# KiCad board panel9.kicad_pcb (continued)
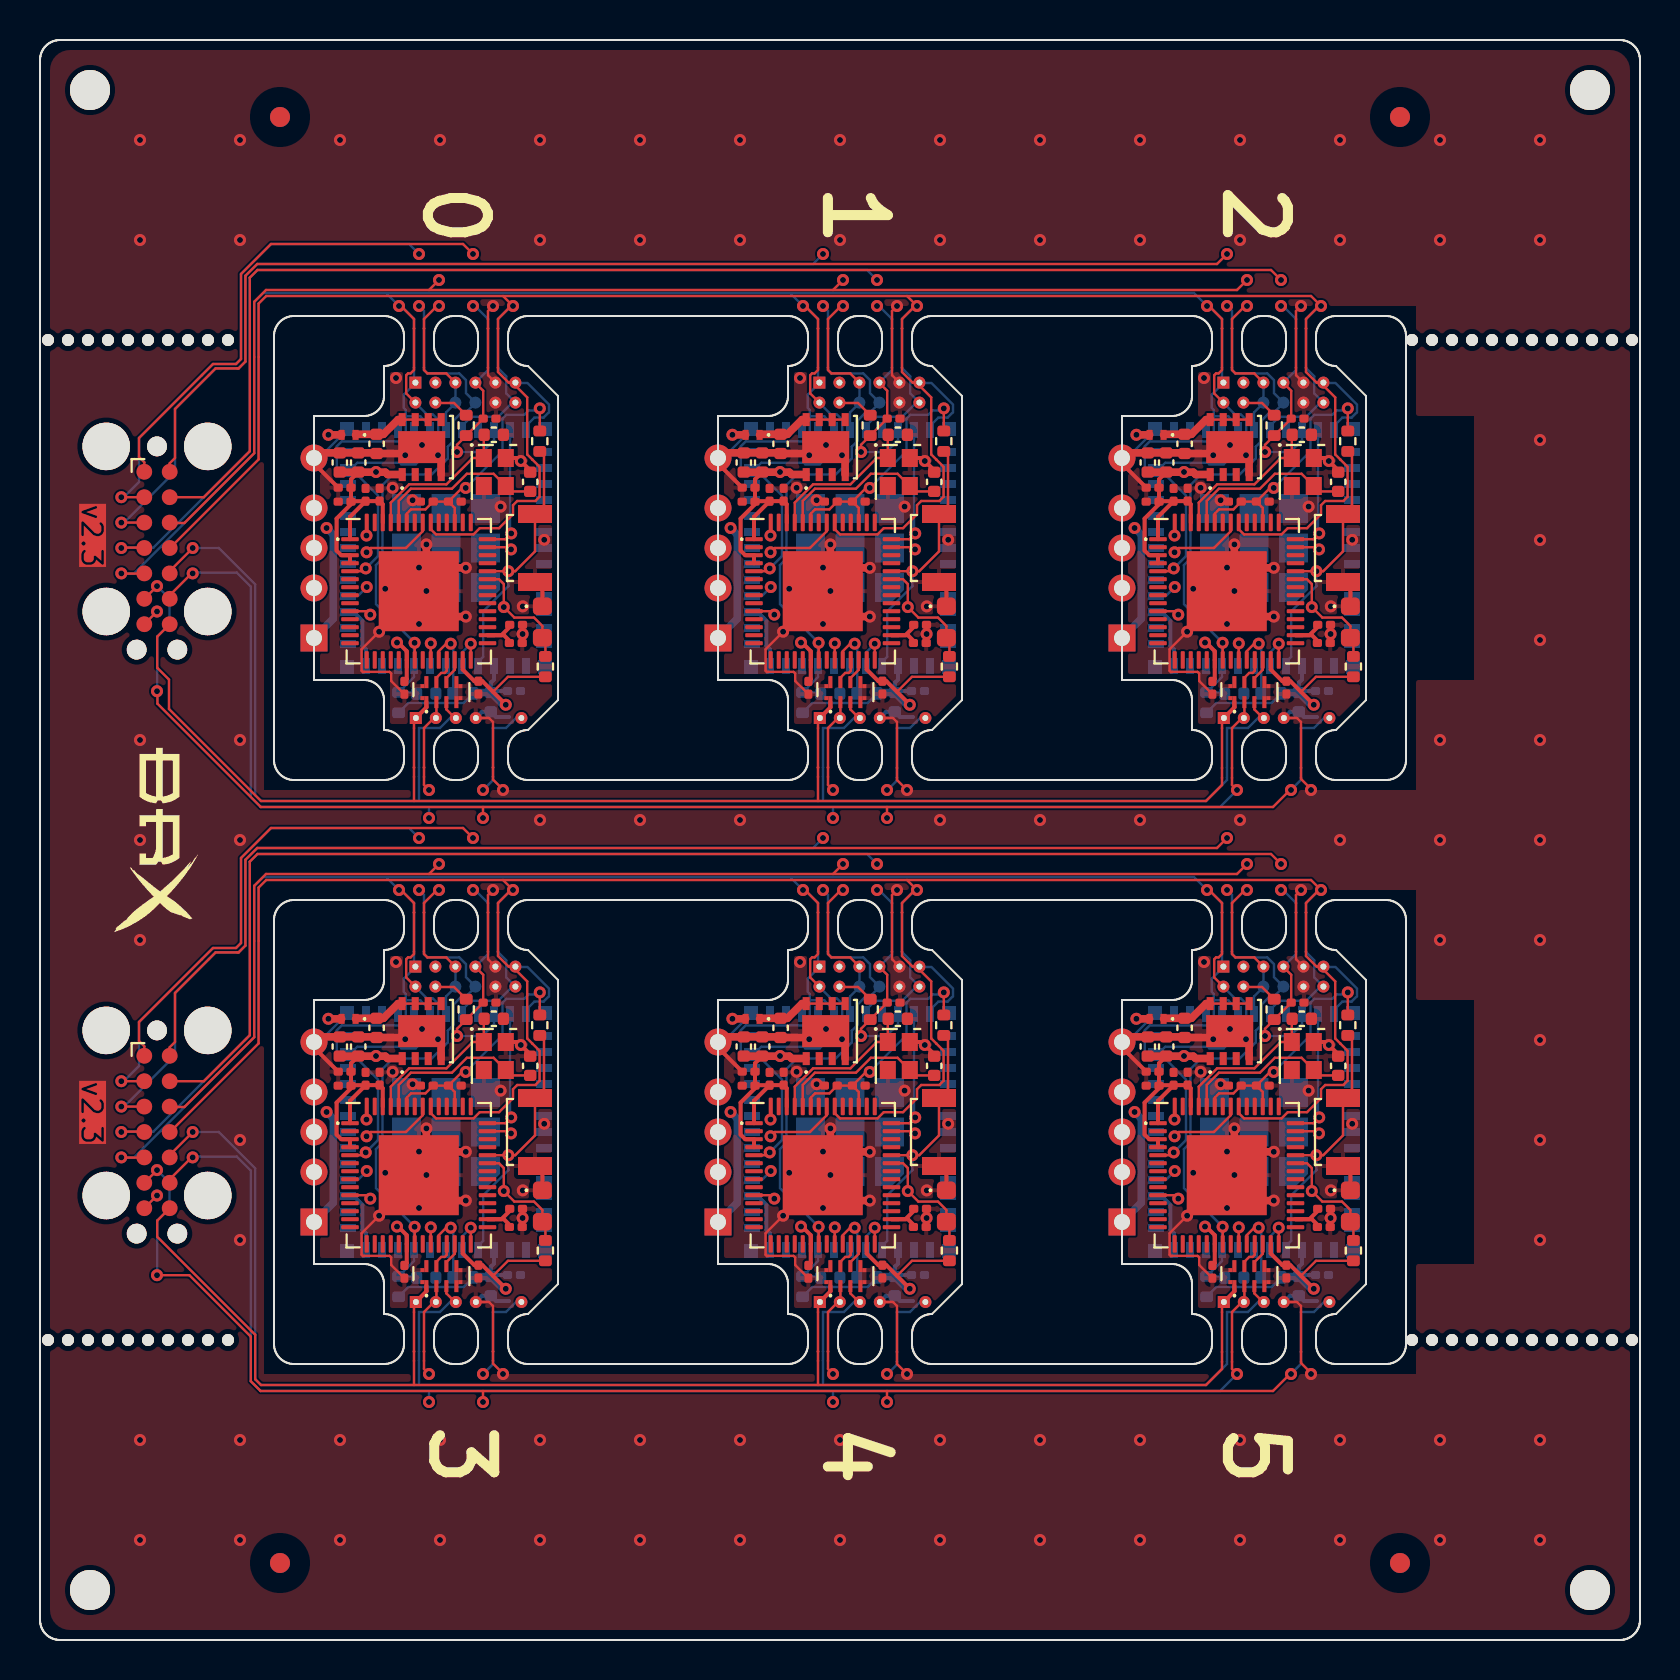
[diagram p0: board, top side]
## Placement (name value [footprint] x y rotation side) (continued)
REF**#56  -  [NetTie_SMD_Pad0.12mm_0.5mm]  43.1 65.8 90 bottom
REF**#57  -  [NetTie_SMD_Pad0.12mm_0.5mm]  18.95 14.2 90 bottom
REF**#58  -  [NetTie_SMD_Pad0.12mm_0.5mm]  39.15 14.2 90 bottom
REF**#59  -  [NetTie_SMD_Pad0.12mm_0.5mm]  22.4 36.6 90 bottom
REF**#60  -  [NetTie_SMD_Pad0.12mm_0.5mm]  59.1 36.6 90 bottom
REF**#61  -  [NetTie_SMD_Pad0.12mm_0.5mm]  59.1 65.8 90 bottom
REF**#62  -  [NetTie_SMD_Pad0.12mm_0.5mm]  22.4 65.8 90 bottom
REF**#63  -  [NetTie_SMD_Pad0.12mm_0.5mm]  62.8 65.8 90 bottom
REF**#64  -  [NetTie_SMD_Pad0.12mm_0.5mm]  42.85 43.35 90 bottom
REF**#65  -  [NetTie_SMD_Pad0.12mm_0.5mm]  63.3 65.8 90 bottom
REF**#66  -  [NetTie_SMD_Pad0.12mm_0.5mm]  59.35 43.35 90 bottom
REF**#67  -  [NetTie_SMD_Pad0.12mm_0.5mm]  63.05 14.2 90 bottom
REF**#68  -  [NetTie_SMD_Pad0.12mm_0.5mm]  22.9 36.6 90 bottom
REF**#69  -  [NetTie_SMD_Pad0.12mm_0.5mm]  63.05 43.4 90 bottom
REF**#70  -  [NetTie_SMD_Pad0.12mm_0.5mm]  59.6 36.6 90 bottom
REF**#71  -  [NetTie_SMD_Pad0.12mm_0.5mm]  18.7 36.6 90 bottom
REF**#72  -  [NetTie_SMD_Pad0.12mm_0.5mm]  62.8 36.6 90 bottom
REF**#73  -  [NetTie_SMD_Pad0.12mm_0.5mm]  39.15 43.4 90 bottom
REF**#74  -  [NetTie_SMD_Pad0.12mm_0.5mm]  38.9 36.6 90 bottom
REF**#75  -  [NetTie_SMD_Pad0.12mm_0.5mm]  42.85 14.15 90 bottom
REF**#76  -  [NetTie_SMD_Pad0.12mm_0.5mm]  18.7 65.8 90 bottom
REF**#77  -  [NetTie_SMD_Pad0.12mm_0.5mm]  59.35 14.15 90 bottom
REF**#78  -  [NetTie_SMD_Pad0.12mm_0.5mm]  39.4 36.6 90 bottom
REF**#79  -  [NetTie_SMD_Pad0.12mm_0.5mm]  19.2 65.8 90 bottom
REF**#80  -  [NetTie_SMD_Pad0.12mm_0.5mm]  38.9 65.8 90 bottom
REF**#81  -  [NetTie_SMD_Pad0.12mm_0.5mm]  39.4 65.8 90 bottom
REF**#82  -  [NetTie_SMD_Pad0.12mm_0.5mm]  22.65 43.4 90 bottom
SW1  SW_Push  [SW_SPST_B3U-3000P]  44.95 54.6 270 top
SW1#2  SW_Push  [SW_SPST_B3U-3000P]  65.15 25.4 270 top
SW1#3  SW_Push  [SW_SPST_B3U-3000P]  44.95 25.4 270 top
SW1#4  SW_Push  [SW_SPST_B3U-3000P]  65.15 54.6 270 top
SW1#5  SW_Push  [SW_SPST_B3U-3000P]  24.75 54.6 270 top
SW1#6  SW_Push  [SW_SPST_B3U-3000P]  24.75 25.4 270 top
U1  AP7361C-33E  [U-DFN3030-8E_3x3mm_P0.65mm_EP1.5x2.25mm]  39.28 59.65 90 top
U1#2  AP7361C-33E  [U-DFN3030-8E_3x3mm_P0.65mm_EP1.5x2.25mm]  19.08 30.44 90 top
U1#3  AP7361C-33E  [U-DFN3030-8E_3x3mm_P0.65mm_EP1.5x2.25mm]  39.28 30.44 90 top
U1#4  AP7361C-33E  [U-DFN3030-8E_3x3mm_P0.65mm_EP1.5x2.25mm]  59.49 59.65 90 top
U1#5  AP7361C-33E  [U-DFN3030-8E_3x3mm_P0.65mm_EP1.5x2.25mm]  19.08 59.65 90 top
U1#6  AP7361C-33E  [U-DFN3030-8E_3x3mm_P0.65mm_EP1.5x2.25mm]  59.49 30.44 90 top
U2  ESP32-S2  [QFN-56-1EP_7x7mm_P0.4mm_EP5.6x5.6mm]  39.14 52.44 0 top
U2#2  ESP32-S2  [QFN-56-1EP_7x7mm_P0.4mm_EP5.6x5.6mm]  18.94 52.44 0 top
U2#3  ESP32-S2  [QFN-56-1EP_7x7mm_P0.4mm_EP5.6x5.6mm]  39.14 23.24 0 top
U2#4  ESP32-S2  [QFN-56-1EP_7x7mm_P0.4mm_EP5.6x5.6mm]  59.34 52.44 0 top
U2#5  ESP32-S2  [QFN-56-1EP_7x7mm_P0.4mm_EP5.6x5.6mm]  18.94 23.24 0 top
U2#6  ESP32-S2  [QFN-56-1EP_7x7mm_P0.4mm_EP5.6x5.6mm]  59.34 23.24 0 top
U3  -  [ESP32-PICO-MINI-02]  20.3 54.6 90 bottom
U3#2  -  [ESP32-PICO-MINI-02]  60.7 54.6 90 bottom
U3#3  -  [ESP32-PICO-MINI-02]  40.5 25.4 90 bottom
U3#4  -  [ESP32-PICO-MINI-02]  60.7 25.4 90 bottom
U3#5  -  [ESP32-PICO-MINI-02]  20.3 25.4 90 bottom
U3#6  -  [ESP32-PICO-MINI-02]  40.5 54.6 90 bottom
U4  ECMF02-4CMX8  [UQFN-8L_2.5x1.2mm_P0.5mm]  20.07 47.39 90 top
U4#2  ECMF02-4CMX8  [UQFN-8L_2.5x1.2mm_P0.5mm]  60.47 47.39 90 top
U4#3  ECMF02-4CMX8  [UQFN-8L_2.5x1.2mm_P0.5mm]  40.27 47.39 90 top
U4#4  ECMF02-4CMX8  [UQFN-8L_2.5x1.2mm_P0.5mm]  20.07 18.19 90 top
U4#5  ECMF02-4CMX8  [UQFN-8L_2.5x1.2mm_P0.5mm]  40.27 18.19 90 top
U4#6  ECMF02-4CMX8  [UQFN-8L_2.5x1.2mm_P0.5mm]  60.47 18.19 90 top
Y1  40MHz  [Crystal_SMD_2016-4Pin_2.0x1.6mm]  42.94 29.2 270 top
Y1#2  40MHz  [Crystal_SMD_2016-4Pin_2.0x1.6mm]  42.94 58.4 270 top
Y1#3  40MHz  [Crystal_SMD_2016-4Pin_2.0x1.6mm]  63.14 58.4 270 top
Y1#4  40MHz  [Crystal_SMD_2016-4Pin_2.0x1.6mm]  22.74 29.2 270 top
Y1#5  40MHz  [Crystal_SMD_2016-4Pin_2.0x1.6mm]  22.74 58.4 270 top
Y1#6  40MHz  [Crystal_SMD_2016-4Pin_2.0x1.6mm]  63.14 29.2 270 top

## Library data of the parts
C1 C1#2-C1#6 C2 C2#2-C2#6 C6 C6#2-C6#6 C8 C8#2-C8#6 C10 C10#2-C10#6 C12 C12#2-C12#6 C13 C13#2-C13#6 C15 C15#2-C15#6 = -: Digikey: 587-5831-2-ND; JLC: C76928
C3 C3#2-C3#6 C9 C9#2-C9#6 C11 C11#2-C11#6 = -: Digikey: 490-GRM032R60J105ME05DTR-ND; JLC: C237458
C4 C4#2-C4#6 C5 C5#2-C5#6 C14 C14#2-C14#6 C16 C16#2-C16#6 C17 C17#2-C17#6 = -: Digikey: 490-GRM155R60J106ME05JTR-ND; JLC: C15525
C7 C7#2-C7#6 = -: Digikey: 490-GRM033R71E101JA01DTR-ND; JLC: C161485
C18 C18#2-C18#6 C19 C19#2-C19#6 = -: Digikey: 490-11315-2-ND; JLC: C1554
D1 D1#2-D1#6 = -: Digikey: 1727-2401-2-ND; JLC: C552935
D6 D6#2-D6#6 = -: Digikey: 160-1478-2-ND; JLC: C125113
J1 J1#2-J1#6 J2 J2#2-J2#6 J3 J3#2-J3#6 = -: Digikey: DNP; JLC: DNP
J4 J4#2-J4#6 = -: Description: Generic connector, single row, 01x01, script generated (kicad-library-utils/schlib/autogen/connector/)
NT1 NT1#2-NT1#6 NT2 NT2#2-NT2#6 NT3 NT3#2-NT3#6 NT4 NT4#2-NT4#6 NT5 NT5#2-NT5#6 NT6 NT6#2-NT6#6 NT7 NT7#2-NT7#6 NT8 NT8#2-NT8#6 NT9 NT9#2-NT9#6 NT10 NT10#2-NT10#6 NT11 NT11#2-NT11#6 NT12 NT12#2-NT12#6 NT13 NT13#2-NT13#6 = -: Description: Net tie, 2 pins
R1 R1#2-R1#6 R4 R4#2-R4#6 R6 R6#2-R6#6 R10 R10#2-R10#6 = -: Digikey: 311-10.0KMTR-ND; JLC: C25744
R11 R11#2-R11#6 = -: Digikey: 311-100MTR-ND; JLC: C25076
SW1 SW1#2-SW1#6 = -: Digikey: SW1022TR-ND; JLC: C963349
U1 U1#2-U1#6 = -: Datasheet: https://ww1.microchip.com/downloads/aemtest/APID/ProductDocuments/DataSheets/MCP1727-1.5A-Low-Voltage-Low-Quiescent-Current-LDO-Regulator-20001999D.pdf; Digikey: AP7361C-33FGE-7DITR-ND; JLC: C151007; JLCPCB Rotation Offset: -90
U2 U2#2-U2#6 = -: Datasheet: https://www.espressif.com/sites/default/files/documentation/esp32-s2_datasheet_en.pdf; Digikey: 1965-ESP32-S2FN4R2TR-ND; JLC: C2844252
U3 U3#2-U3#6 = -: Datasheet: https://www.espressif.com/sites/default/files/documentation/esp32-pico-mini-02_datasheet_en.pdf; Digikey: 1965-ESP32-PICO-MINI-02-N8R2TR-ND; JLC: C2980306
U4 U4#2-U4#6 = -: Datasheet: https://www.st.com/resource/en/datasheet/ecmf02-2amx6.pdf; Digikey: 497-13420-2-ND; JLC: C717678; JLCPCB Rotation Offset: -90
Y1 Y1#2-Y1#6 = -: Digikey: FW400WFMR1TR-ND; JLC: C2875288

## Footprints (pads in the part's own frame, mm; a bottom-side part is the same pattern mirrored in y, then rotated)
C_0201_0603Metric
  rrect 0.318x0.36 smd: (-0.345,0) (0.345,0)
  rrect 0.46x0.4 smd: 1(-0.32,0) 2(0.32,0)
C_0402_1005Metric
  rrect 0.56x0.62 smd: 1(-0.48,0) 2(0.48,0)
Crystal_SMD_2016-4Pin_2.0x1.6mm
  rect 0.9x0.8 smd: 1(-0.7,-0.55) 2(0.7,-0.55) 3(0.7,0.55) 4(-0.7,0.55)
DSN1006-2_0.6x1mm_P0.65mm
  rect 0.3x0.5 smd: 1(-0.35,0) 2(0.35,0)
ESP32-PICO-MINI-02
  rect 0.8x0.4 smd: 1(-5.9,4) 2(-5.9,3.2) 3(-5.9,2.4) 4(-5.9,1.6) 5(-5.9,0.8) 6(-5.9,0) 7(-5.9,-0.8) 8(-5.9,-1.6) 9(-5.9,-2.4) 10(-5.9,-3.2) 11(-5.9,-4) 25(5.9,-4) 26(5.9,-3.2) 27(5.9,-2.4) 28(5.9,-1.6) 29(5.9,-0.8) 30(5.9,0) 31(5.9,0.8) 32(5.9,1.6) 33(5.9,2.4) 34(5.9,3.2) 35(5.9,4)
  rect 0.4x0.8 smd: 12(-4.8,-4.9) 13(-4,-4.9) 14(-3.2,-4.9) 15(-2.4,-4.9) 16(-1.6,-4.9) 17(-0.8,-4.9) 18(0,-4.9) 19(0.8,-4.9) 20(1.6,-4.9) 21(2.4,-4.9) 22(3.2,-4.9) 23(4,-4.9) 24(4.8,-4.9) 36(4.8,4.9) 37(4,4.9) 38(3.2,4.9) 39(2.4,4.9) 40(1.6,4.9) 41(0.8,4.9) 42(0,4.9) 43(-0.8,4.9) 44(-1.6,4.9) 45(-2.4,4.9) 46(-3.2,4.9) 47(-4,4.9) 48(-4.8,4.9)
  rect 1.45x1.45 smd: 49(-1.975,-1.975) 49(-1.975,0) 49(0,-1.975) 49(0,0) 49(0,1.975) 49(1.975,-1.975) 49(1.975,0) 49(1.975,1.975)
  custom 1.45x1.45 smd: 49(-1.975,1.975)
  rect 0.7x0.7 smd: 50(5.95,4.95) 51(5.95,-4.95) 52(-5.95,-4.95) 53(-5.95,4.95)
Fiducial
  round 1 smd: (0,0)
LED_0603_1608Metric
  rrect 0.875x0.95 smd: 1(-0.787,0) 2(0.787,0)
NetTie_SMD_Pad0.12mm
  round 0.12 smd: 1(-1,0) 2(1,0)
NetTie_SMD_Pad0.12mm_0.5mm
  round 0.12 smd: 1(-0.25,0) 2(0.25,0)
NPTH
  round 2 hole 2 unplated: (0,0)
NPTH_MB_0.6mm
  round 0.6 hole 0.6 unplated: (0,0)
PinHeader_1x04_P1.00mm_Vertical
  rect 0.6x0.6 hole 0.3: 1(0,0)
  oval 0.6x0.6 hole 0.3: 2(0,-1) 3(0,-2) 4(0,-3)
PinHeader_2x06_P1.00mm
  rect 0.6x0.6 hole 0.3: 1(0,0)
  oval 0.6x0.6 hole 0.3: 2(1,0) 3(0,-1) 4(1,-1) 5(0,-2) 7(0,-3) 9(0,-4) 10(1,-4) 11(0,-5) 12(1,-5)
  oval 0.6x0.6 smd: 6(1,-2) 8(1,-3)
QFN-56-1EP_7x7mm_P0.4mm_EP5.6x5.6mm
  rrect 1.75x1.75 smd: (-1,1) (-1,-1) (1,1) (1,-1)
  rrect 0.875x0.2 smd: 1(-3.438,2.6) 2(-3.438,2.2) 3(-3.438,1.8) 4(-3.438,1.4) 5(-3.438,1) 6(-3.438,0.6) 7(-3.438,0.2) 8(-3.438,-0.2) 9(-3.438,-0.6) 10(-3.438,-1) 11(-3.438,-1.4) 12(-3.438,-1.8) 13(-3.438,-2.2) 14(-3.438,-2.6) 29(3.438,-2.6) 30(3.438,-2.2) 31(3.438,-1.8) 32(3.438,-1.4) 33(3.438,-1) 34(3.438,-0.6) 35(3.438,-0.2) 36(3.438,0.2) 37(3.438,0.6) 38(3.438,1) 39(3.438,1.4) 40(3.438,1.8) 41(3.438,2.2) 42(3.438,2.6)
  rrect 0.2x0.875 smd: 15(-2.6,-3.438) 16(-2.2,-3.438) 17(-1.8,-3.438) 18(-1.4,-3.438) 19(-1,-3.438) 20(-0.6,-3.438) 21(-0.2,-3.438) 22(0.2,-3.438) 23(0.6,-3.438) 24(1,-3.438) 25(1.4,-3.438) 26(1.8,-3.438) 27(2.2,-3.438) 28(2.6,-3.438) 43(2.6,3.438) 44(2.2,3.438) 45(1.8,3.438) 46(1.4,3.438) 47(1,3.438) 48(0.6,3.438) 49(0.2,3.438) 50(-0.2,3.438) 51(-0.6,3.438) 52(-1,3.438) 53(-1.4,3.438) 54(-1.8,3.438) 55(-2.2,3.438) 56(-2.6,3.438)
  rect 4x4 smd: 57(0,0)
R_0402_1005Metric
  rrect 0.54x0.64 smd: 1(-0.51,0) 2(0.51,0)
SW_SPST_B3U-3000P
  rect 0.9x1.7 smd: 1(-1.7,0) 2(1.7,0)
Tag-Connect_TC2070-IDC-FP_2x07_P1.27mm_Vertical
  round 2.375 hole 2.375 unplated: (-5.08,2.54) (-5.08,-2.54) (3.175,2.54) (3.175,-2.54)
  round 0.991 hole 0.991 unplated: (-5.08,0) (5.08,1.016) (5.08,-1.016)
  round 0.787 smd: 1(-3.81,-0.635) 2(-2.54,-0.635) 3(-1.27,-0.635) 4(0,-0.635) 5(1.27,-0.635) 6(2.54,-0.635) 7(3.81,-0.635) 8(3.81,0.635) 9(2.54,0.635) 10(1.27,0.635) 11(0,0.635) 12(-1.27,0.635) 13(-2.54,0.635) 14(-3.81,0.635)
TestPoint_1x01
  round 0.6 hole 0.3: 1(0,0)
U-DFN3030-8E_3x3mm_P0.65mm_EP1.5x2.25mm
  rect 0.6x1 smd: (-0.388,0.6) (-0.388,-0.6) (0.388,0.6) (0.388,-0.6)
  rect 0.65x0.35 smd: 1(-1.375,0.975) 2(-1.375,0.325) 3(-1.375,-0.325) 4(-1.375,-0.975) 5(1.375,-0.975) 6(1.375,-0.325) 7(1.375,0.325) 8(1.375,0.975)
  rect 1.6x2.35 smd: 9(0,0)
unnamed
  round 0.6 hole 0.6 unplated: (0,0)
UQFN-8L_2.5x1.2mm_P0.5mm
  rect 0.6x0.2 smd: 1(-0.5,0.75) 2(-0.5,0.25) 3(-0.5,-0.25) 4(-0.5,-0.75) 5(0.5,-0.75) 6(0.5,-0.25) 7(0.5,0.25) 8(0.5,0.75)
  rect 0.2x0.2 smd: 1(-0.3,0.95) 4(-0.3,-0.95) 5(0.3,-0.95) 8(0.3,0.95)
Xbox_PinHeader_1x05_P2.00mm_Vertical
  rect 1.35x1.35 hole 0.8: 1(0,4.5)
  oval 1.35x1.35 hole 0.8: 2(0,2) 3(0,0) 4(0,-2) 5(0,-4.5)

## Nets
Board_0-/VBUS_TP: D1#2.2 J1#4.1 J3.1 NT9.1 U4.1
Board_1-/VBUS_TP: D1#6.2 J1#5.1 J3#2.1 NT9#4.1 U4#3.1
Board_2-/VBUS_TP: D1#5.2 J1.1 J3#6.1 NT9#2.1 U4#2.1
Board_3-/VBUS_TP: D1#4.2 J1#6.1 J3#5.1 NT9#6.1 U4#4.1
Board_4-/VBUS_TP: D1#3.2 J1#3.1 J3#3.1 NT9#5.1 U4#5.1
Board_5-/VBUS_TP: D1.2 J1#2.1 J3#4.1 NT9#3.1 U4#6.1
Board_0-+3V3: C1.1 C2#2.1 C3.1 C4.1 C6#3.1 C7#2.1 C8#4.1 C9.1 C12.1 C13#2.1 C14.1 C17#6.1 J2.3 J2.4 R1#6.2 R4#5.2 R6#2.2 R10#6.2 R11#4.2 U1#5.1 U2#2.1 U2#2.3 U2#2.4 U2#2.20 U2#2.27 U2#2.45 U2#2.51 U2#2.54 U3.3
Board_0-/BTN: J4.1 NT12.1 R1#6.1 SW1#5.1 U2#2.38 U3.4
Board_0-/D+_TP: J1#4.3 J3.3 NT11#2.1 U4.3
Board_0-/D-_TP: J1#4.2 J3.2 NT10#5.1 U4.2
Board_0-/HCI_CTS: U2#2.28 U3.5
Board_0-/HCI_RXD: U2#2.23 U3.7
Board_0-/HCI_TXD: U2#2.42 U3.34
Board_0-/LED: D6#4.2 R11#4.1 U2#2.37 U3.15
Board_0-/PICO_EN: C5#4.1 J2.8 NT5.1 R6#2.1 U2#2.21 U3.8
Board_0-/PICO_IO0: J2.2 NT2#2.1 U2#2.10 U3.23
Board_0-/PICO_TXD: J2.12 NT7#2.1 U2#2.41 U3.31
Board_0-/RXD: J2.5 J2.6 NT3#2.1 U2#2.49 U3.30
Board_0-/S2_EN: C15#6.1 J2.7 NT4.1 R4#5.1 U2#2.56 U3.33
Board_0-/S2_IO0: J2.1 NT1#2.1 U2#2.5 U3.29
Board_0-/S2_TXD: J2.11 NT6#2.1 U2#2.48 U3.35
Board_0-/USB_D+: U2#2.26 U4.6
Board_0-/USB_D-: U2#2.25 U4.7
Board_0-GND: C1.2 C2#2.2 C3.2 C4.2 C5#4.2 C6#3.2 C7#2.2 C8#4.2 C9.2 C10#4.2 C11#4.2 C12.2 C13#2.2 C14.2 C15#6.2 C16.2 C17#6.2 C18.2 C19#2.2 D6#4.1 J1#4.5 J2.9 J2.10 J3.4 NT8.1 NT13#5.1 SW1#5.2 U1#5.4 U1#5.9 U2#2.57 U3.1 U3.2 U3.11 U3.14 U3.36 U3.37 U3.38 U3.39 U3.40 U3.41 U3.42 U3.43 U3.44 U3.45 U3.46 U3.47 U3.48 U3.49 U3.50 U3.51 U3.52 U3.53 U4.4 U4.5 U4.8 Y1#5.2 Y1#5.4
Board_0-Net-(U2-GPIO18/ADC2_CH7/DAC_2): R10#6.1 U2#2.24
Board_0-Net-(U2-VDD_SPI): C10#4.1 C11#4.1 U2#2.30
Board_0-Net-(U2-XTAL_N): C18.1 U2#2.52 Y1#5.3
Board_0-Net-(U2-XTAL_P): C19#2.1 U2#2.53 Y1#5.1
Board_0-unconnected-(J1-Pin_4-Pad4): J1#4.4
Board_0-unconnected-(NT1-Pad2): NT1#2.2
Board_0-unconnected-(NT2-Pad2): NT2#2.2
Board_0-unconnected-(NT3-Pad2): NT3#2.2
Board_0-unconnected-(NT4-Pad2): NT4.2
Board_0-unconnected-(NT5-Pad2): NT5.2
Board_0-unconnected-(NT6-Pad2): NT6#2.2
Board_0-unconnected-(NT7-Pad2): NT7#2.2
Board_0-unconnected-(NT8-Pad2): NT8.2
Board_0-unconnected-(NT9-Pad2): NT9.2
Board_0-unconnected-(NT10-Pad2): NT10#5.2
Board_0-unconnected-(NT11-Pad2): NT11#2.2
Board_0-unconnected-(NT12-Pad2): NT12.2
Board_0-unconnected-(NT13-Pad2): NT13#5.2
Board_0-unconnected-(U1-NC-Pad2): U1#5.2
Board_0-unconnected-(U1-NC-Pad3): U1#5.3
Board_0-unconnected-(U2-GPIO1/ADC1_CH0-Pad6): U2#2.6
Board_0-unconnected-(U2-GPIO2/ADC1_CH1-Pad7): U2#2.7
Board_0-unconnected-(U2-GPIO3/ADC1_CH2-Pad8): U2#2.8
Board_0-unconnected-(U2-GPIO4/ADC1_CH3-Pad9): U2#2.9
Board_0-unconnected-(U2-GPIO6/ADC1_CH5-Pad11): U2#2.11
Board_0-unconnected-(U2-GPIO7/ADC1_CH6-Pad12): U2#2.12
Board_0-unconnected-(U2-GPIO8/ADC1_CH7-Pad13): U2#2.13
Board_0-unconnected-(U2-GPIO9/ADC1_CH8-Pad14): U2#2.14
Board_0-unconnected-(U2-GPIO10/ADC1_CH9-Pad15): U2#2.15
Board_0-unconnected-(U2-GPIO11/ADC2_CH0-Pad16): U2#2.16
Board_0-unconnected-(U2-GPIO12/ADC2_CH1-Pad17): U2#2.17
Board_0-unconnected-(U2-GPIO13/ADC2_CH2-Pad18): U2#2.18
Board_0-unconnected-(U2-GPIO14/ADC2_CH3-Pad19): U2#2.19
Board_0-unconnected-(U2-GPIO16/ADC2_CH5/XTAL_32K_N-Pad22): U2#2.22
Board_0-unconnected-(U2-GPIO35-Pad39): U2#2.39
Board_0-unconnected-(U2-GPIO36-Pad40): U2#2.40
Board_0-unconnected-(U2-GPIO45-Pad50): U2#2.50
Board_0-unconnected-(U2-GPIO46-Pad55): U2#2.55
Board_0-unconnected-(U2-LNA_IN/RF-Pad2): U2#2.2
Board_0-unconnected-(U2-MTCK/JTAG/GPIO39-Pad43): U2#2.43
Board_0-unconnected-(U2-MTDI/JTAG/GPIO41-Pad46): U2#2.46
Board_0-unconnected-(U2-MTDO/JTAG/GPIO40-Pad44): U2#2.44
Board_0-unconnected-(U2-MTMS/JTAG/GPIO42-Pad47): U2#2.47
Board_0-unconnected-(U2-SPI_CS1/GPIO26-Pad29): U2#2.29
Board_0-unconnected-(U2-SPICLK/GPIO30-Pad34): U2#2.34
Board_0-unconnected-(U2-SPICS0/GPIO29-Pad33): U2#2.33
Board_0-unconnected-(U2-SPID/GPIO32-Pad36): U2#2.36
Board_0-unconnected-(U2-SPIHD/GPIO27-Pad31): U2#2.31
Board_0-unconnected-(U2-SPIQ/GPIO31-Pad35): U2#2.35
Board_0-unconnected-(U2-SPIWP/GPIO28-Pad32): U2#2.32
Board_0-unconnected-(U3-32K_XN/GPIO33/ADC1_CH5-Pad13): U3.13
Board_0-unconnected-(U3-32K_XP/GPIO32/ADC1_CH4-Pad12): U3.12
Board_0-unconnected-(U3-GPIO2/ADC2_CH2-Pad22): U3.22
Board_0-unconnected-(U3-GPIO4/ADC2_CH0-Pad24): U3.24
Board_0-unconnected-(U3-GPIO20-Pad26): U3.26
Board_0-unconnected-(U3-GPIO26/ADC2_CH9/DAC_2-Pad16): U3.16
Board_0-unconnected-(U3-GPIO27/ADC2_CH7-Pad17): U3.17
Board_0-unconnected-(U3-MTCK/GPIO13/ADC2_CH4-Pad20): U3.20
Board_0-unconnected-(U3-MTDI/GPIO12/ADC2_CH5-Pad19): U3.19
Board_0-unconnected-(U3-MTDO/GPIO15/ADC2_CH3-Pad21): U3.21
Board_0-unconnected-(U3-MTMS/GPIO14/ADC2_CH6-Pad18): U3.18
Board_0-unconnected-(U3-NC-Pad25): U3.25
Board_0-unconnected-(U3-NC-Pad32): U3.32
Board_0-unconnected-(U3-SD_DATA_0/GPIO7-Pad27): U3.27
Board_0-unconnected-(U3-SD_DATA_1/GPIO8-Pad28): U3.28
Board_0-unconnected-(U3-SENSOR_CAPN/GPIO38/ADC1_CH2-Pad6): U3.6
Board_0-unconnected-(U3-VDET_1/GPIO34/ADC1_CH6-Pad9): U3.9
Board_0-unconnected-(U3-VDET_2/GPIO35/ADC1_CH7-Pad10): U3.10
Board_0-VBUS: C16.1 D1#2.1 U1#5.5 U1#5.6 U1#5.7 U1#5.8
Board_1-+3V3: C1#4.1 C2#3.1 C3#3.1 C4#3.1 C6#5.1 C7#6.1 C8#6.1 C9#4.1 C12#6.1 C13.1 C14#5.1 C17#5.1 J2#2.3 J2#2.4 R1#5.2 R4#6.2 R6#4.2 R10#4.2 R11#5.2 U1.1 U2.1 U2.3 U2.4 U2.20 U2.27 U2.45 U2.51 U2.54 U3#6.3
Board_1-/BTN: J4#2.1 NT12#2.1 R1#5.1 SW1.1 U2.38 U3#6.4
Board_1-/D+_TP: J1#5.3 J3#2.3 NT11#3.1 U4#3.3
Board_1-/D-_TP: J1#5.2 J3#2.2 NT10#4.1 U4#3.2
Board_1-/HCI_CTS: U2.28 U3#6.5
Board_1-/HCI_RXD: U2.23 U3#6.7
Board_1-/HCI_TXD: U2.42 U3#6.34
Board_1-/LED: D6#2.2 R11#5.1 U2.37 U3#6.15
Board_1-/PICO_EN: C5.1 J2#2.8 NT5#3.1 R6#4.1 U2.21 U3#6.8
Board_1-/PICO_IO0: J2#2.2 NT2#4.1 U2.10 U3#6.23
Board_1-/PICO_TXD: J2#2.12 NT7#5.1 U2.41 U3#6.31
Board_1-/RXD: J2#2.5 J2#2.6 NT3#6.1 U2.49 U3#6.30
Board_1-/S2_EN: C15#4.1 J2#2.7 NT4#5.1 R4#6.1 U2.56 U3#6.33
Board_1-/S2_IO0: J2#2.1 NT1.1 U2.5 U3#6.29
Board_1-/S2_TXD: J2#2.11 NT6#5.1 U2.48 U3#6.35
Board_1-/USB_D+: U2.26 U4#3.6
Board_1-/USB_D-: U2.25 U4#3.7
Board_1-GND: C1#4.2 C2#3.2 C3#3.2 C4#3.2 C5.2 C6#5.2 C7#6.2 C8#6.2 C9#4.2 C10#2.2 C11#6.2 C12#6.2 C13.2 C14#5.2 C15#4.2 C16#6.2 C17#5.2 C18#5.2 C19#3.2 D6#2.1 J1#5.5 J2#2.9 J2#2.10 J3#2.4 NT8#5.1 NT13#2.1 SW1.2 U1.4 U1.9 U2.57 U3#6.1 U3#6.2 U3#6.11 U3#6.14 U3#6.36 U3#6.37 U3#6.38 U3#6.39 U3#6.40 U3#6.41 U3#6.42 U3#6.43 U3#6.44 U3#6.45 U3#6.46 U3#6.47 U3#6.48 U3#6.49 U3#6.50 U3#6.51 U3#6.52 U3#6.53 U4#3.4 U4#3.5 U4#3.8 Y1#2.2 Y1#2.4
Board_1-Net-(U2-GPIO18/ADC2_CH7/DAC_2): R10#4.1 U2.24
Board_1-Net-(U2-VDD_SPI): C10#2.1 C11#6.1 U2.30
Board_1-Net-(U2-XTAL_N): C18#5.1 U2.52 Y1#2.3
Board_1-Net-(U2-XTAL_P): C19#3.1 U2.53 Y1#2.1
Board_1-unconnected-(J1-Pin_4-Pad4): J1#5.4
Board_1-unconnected-(NT1-Pad2): NT1.2
Board_1-unconnected-(NT2-Pad2): NT2#4.2
Board_1-unconnected-(NT3-Pad2): NT3#6.2
Board_1-unconnected-(NT4-Pad2): NT4#5.2
Board_1-unconnected-(NT5-Pad2): NT5#3.2
Board_1-unconnected-(NT6-Pad2): NT6#5.2
Board_1-unconnected-(NT7-Pad2): NT7#5.2
Board_1-unconnected-(NT8-Pad2): NT8#5.2
Board_1-unconnected-(NT9-Pad2): NT9#4.2
Board_1-unconnected-(NT10-Pad2): NT10#4.2
Board_1-unconnected-(NT11-Pad2): NT11#3.2
Board_1-unconnected-(NT12-Pad2): NT12#2.2
Board_1-unconnected-(NT13-Pad2): NT13#2.2
Board_1-unconnected-(U1-NC-Pad2): U1.2
Board_1-unconnected-(U1-NC-Pad3): U1.3
Board_1-unconnected-(U2-GPIO1/ADC1_CH0-Pad6): U2.6
Board_1-unconnected-(U2-GPIO2/ADC1_CH1-Pad7): U2.7
Board_1-unconnected-(U2-GPIO3/ADC1_CH2-Pad8): U2.8
Board_1-unconnected-(U2-GPIO4/ADC1_CH3-Pad9): U2.9
Board_1-unconnected-(U2-GPIO6/ADC1_CH5-Pad11): U2.11
Board_1-unconnected-(U2-GPIO7/ADC1_CH6-Pad12): U2.12
Board_1-unconnected-(U2-GPIO8/ADC1_CH7-Pad13): U2.13
Board_1-unconnected-(U2-GPIO9/ADC1_CH8-Pad14): U2.14
Board_1-unconnected-(U2-GPIO10/ADC1_CH9-Pad15): U2.15
Board_1-unconnected-(U2-GPIO11/ADC2_CH0-Pad16): U2.16
Board_1-unconnected-(U2-GPIO12/ADC2_CH1-Pad17): U2.17
Board_1-unconnected-(U2-GPIO13/ADC2_CH2-Pad18): U2.18
Board_1-unconnected-(U2-GPIO14/ADC2_CH3-Pad19): U2.19
Board_1-unconnected-(U2-GPIO16/ADC2_CH5/XTAL_32K_N-Pad22): U2.22
Board_1-unconnected-(U2-GPIO35-Pad39): U2.39
Board_1-unconnected-(U2-GPIO36-Pad40): U2.40
Board_1-unconnected-(U2-GPIO45-Pad50): U2.50
Board_1-unconnected-(U2-GPIO46-Pad55): U2.55
Board_1-unconnected-(U2-LNA_IN/RF-Pad2): U2.2
Board_1-unconnected-(U2-MTCK/JTAG/GPIO39-Pad43): U2.43
Board_1-unconnected-(U2-MTDI/JTAG/GPIO41-Pad46): U2.46
Board_1-unconnected-(U2-MTDO/JTAG/GPIO40-Pad44): U2.44
Board_1-unconnected-(U2-MTMS/JTAG/GPIO42-Pad47): U2.47
Board_1-unconnected-(U2-SPI_CS1/GPIO26-Pad29): U2.29
Board_1-unconnected-(U2-SPICLK/GPIO30-Pad34): U2.34
Board_1-unconnected-(U2-SPICS0/GPIO29-Pad33): U2.33
Board_1-unconnected-(U2-SPID/GPIO32-Pad36): U2.36
Board_1-unconnected-(U2-SPIHD/GPIO27-Pad31): U2.31
Board_1-unconnected-(U2-SPIQ/GPIO31-Pad35): U2.35
Board_1-unconnected-(U2-SPIWP/GPIO28-Pad32): U2.32
Board_1-unconnected-(U3-32K_XN/GPIO33/ADC1_CH5-Pad13): U3#6.13
Board_1-unconnected-(U3-32K_XP/GPIO32/ADC1_CH4-Pad12): U3#6.12
Board_1-unconnected-(U3-GPIO2/ADC2_CH2-Pad22): U3#6.22
Board_1-unconnected-(U3-GPIO4/ADC2_CH0-Pad24): U3#6.24
Board_1-unconnected-(U3-GPIO20-Pad26): U3#6.26
Board_1-unconnected-(U3-GPIO26/ADC2_CH9/DAC_2-Pad16): U3#6.16
Board_1-unconnected-(U3-GPIO27/ADC2_CH7-Pad17): U3#6.17
Board_1-unconnected-(U3-MTCK/GPIO13/ADC2_CH4-Pad20): U3#6.20
Board_1-unconnected-(U3-MTDI/GPIO12/ADC2_CH5-Pad19): U3#6.19
Board_1-unconnected-(U3-MTDO/GPIO15/ADC2_CH3-Pad21): U3#6.21
Board_1-unconnected-(U3-MTMS/GPIO14/ADC2_CH6-Pad18): U3#6.18
Board_1-unconnected-(U3-NC-Pad25): U3#6.25
Board_1-unconnected-(U3-NC-Pad32): U3#6.32
Board_1-unconnected-(U3-SD_DATA_0/GPIO7-Pad27): U3#6.27
Board_1-unconnected-(U3-SD_DATA_1/GPIO8-Pad28): U3#6.28
Board_1-unconnected-(U3-SENSOR_CAPN/GPIO38/ADC1_CH2-Pad6): U3#6.6
Board_1-unconnected-(U3-VDET_1/GPIO34/ADC1_CH6-Pad9): U3#6.9
Board_1-unconnected-(U3-VDET_2/GPIO35/ADC1_CH7-Pad10): U3#6.10
Board_1-VBUS: C16#6.1 D1#6.1 U1.5 U1.6 U1.7 U1.8
Board_2-+3V3: C1#3.1 C2#4.1 C3#2.1 C4#4.1 C6#4.1 C7#3.1 C8#5.1 C9#3.1 C12#4.1 C13#4.1 C14#6.1 C17#4.1 J2#5.3 J2#5.4 R1#3.2 R4#4.2 R6#5.2 R10.2 R11#6.2 U1#4.1 U2#4.1 U2#4.3 U2#4.4 U2#4.20 U2#4.27 U2#4.45 U2#4.51 U2#4.54 U3#2.3
Board_2-/BTN: J4#6.1 NT12#5.1 R1#3.1 SW1#4.1 U2#4.38 U3#2.4
Board_2-/D+_TP: J1.3 J3#6.3 NT11.1 U4#2.3
Board_2-/D-_TP: J1.2 J3#6.2 NT10#6.1 U4#2.2
Board_2-/HCI_CTS: U2#4.28 U3#2.5
Board_2-/HCI_RXD: U2#4.23 U3#2.7
Board_2-/HCI_TXD: U2#4.42 U3#2.34
Board_2-/LED: D6.2 R11#6.1 U2#4.37 U3#2.15
Board_2-/PICO_EN: C5#5.1 J2#5.8 NT5#5.1 R6#5.1 U2#4.21 U3#2.8
Board_2-/PICO_IO0: J2#5.2 NT2#6.1 U2#4.10 U3#2.23
Board_2-/PICO_TXD: J2#5.12 NT7#6.1 U2#4.41 U3#2.31
Board_2-/RXD: J2#5.5 J2#5.6 NT3#3.1 U2#4.49 U3#2.30
Board_2-/S2_EN: C15.1 J2#5.7 NT4#4.1 R4#4.1 U2#4.56 U3#2.33
Board_2-/S2_IO0: J2#5.1 NT1#3.1 U2#4.5 U3#2.29
Board_2-/S2_TXD: J2#5.11 NT6#3.1 U2#4.48 U3#2.35
Board_2-/USB_D+: U2#4.26 U4#2.6
Board_2-/USB_D-: U2#4.25 U4#2.7
Board_2-GND: C1#3.2 C2#4.2 C3#2.2 C4#4.2 C5#5.2 C6#4.2 C7#3.2 C8#5.2 C9#3.2 C10#6.2 C11#2.2 C12#4.2 C13#4.2 C14#6.2 C15.2 C16#4.2 C17#4.2 C18#6.2 C19#5.2 D6.1 J1.5 J2#5.9 J2#5.10 J3#6.4 NT8#4.1 NT13#6.1 SW1#4.2 U1#4.4 U1#4.9 U2#4.57 U3#2.1 U3#2.2 U3#2.11 U3#2.14 U3#2.36 U3#2.37 U3#2.38 U3#2.39 U3#2.40 U3#2.41 U3#2.42 U3#2.43 U3#2.44 U3#2.45 U3#2.46 U3#2.47 U3#2.48 U3#2.49 U3#2.50 U3#2.51 U3#2.52 U3#2.53 U4#2.4 U4#2.5 U4#2.8 Y1#3.2 Y1#3.4
Board_2-Net-(U2-GPIO18/ADC2_CH7/DAC_2): R10.1 U2#4.24
Board_2-Net-(U2-VDD_SPI): C10#6.1 C11#2.1 U2#4.30
Board_2-Net-(U2-XTAL_N): C18#6.1 U2#4.52 Y1#3.3
Board_2-Net-(U2-XTAL_P): C19#5.1 U2#4.53 Y1#3.1
Board_2-unconnected-(J1-Pin_4-Pad4): J1.4
Board_2-unconnected-(NT1-Pad2): NT1#3.2
Board_2-unconnected-(NT2-Pad2): NT2#6.2
Board_2-unconnected-(NT3-Pad2): NT3#3.2
Board_2-unconnected-(NT4-Pad2): NT4#4.2
Board_2-unconnected-(NT5-Pad2): NT5#5.2
Board_2-unconnected-(NT6-Pad2): NT6#3.2
Board_2-unconnected-(NT7-Pad2): NT7#6.2
Board_2-unconnected-(NT8-Pad2): NT8#4.2
Board_2-unconnected-(NT9-Pad2): NT9#2.2
Board_2-unconnected-(NT10-Pad2): NT10#6.2
Board_2-unconnected-(NT11-Pad2): NT11.2
Board_2-unconnected-(NT12-Pad2): NT12#5.2
Board_2-unconnected-(NT13-Pad2): NT13#6.2
Board_2-unconnected-(U1-NC-Pad2): U1#4.2
Board_2-unconnected-(U1-NC-Pad3): U1#4.3
Board_2-unconnected-(U2-GPIO1/ADC1_CH0-Pad6): U2#4.6
Board_2-unconnected-(U2-GPIO2/ADC1_CH1-Pad7): U2#4.7
Board_2-unconnected-(U2-GPIO3/ADC1_CH2-Pad8): U2#4.8
Board_2-unconnected-(U2-GPIO4/ADC1_CH3-Pad9): U2#4.9
Board_2-unconnected-(U2-GPIO6/ADC1_CH5-Pad11): U2#4.11
Board_2-unconnected-(U2-GPIO7/ADC1_CH6-Pad12): U2#4.12
Board_2-unconnected-(U2-GPIO8/ADC1_CH7-Pad13): U2#4.13
Board_2-unconnected-(U2-GPIO9/ADC1_CH8-Pad14): U2#4.14
Board_2-unconnected-(U2-GPIO10/ADC1_CH9-Pad15): U2#4.15
Board_2-unconnected-(U2-GPIO11/ADC2_CH0-Pad16): U2#4.16
Board_2-unconnected-(U2-GPIO12/ADC2_CH1-Pad17): U2#4.17
Board_2-unconnected-(U2-GPIO13/ADC2_CH2-Pad18): U2#4.18
Board_2-unconnected-(U2-GPIO14/ADC2_CH3-Pad19): U2#4.19
Board_2-unconnected-(U2-GPIO16/ADC2_CH5/XTAL_32K_N-Pad22): U2#4.22
Board_2-unconnected-(U2-GPIO35-Pad39): U2#4.39
Board_2-unconnected-(U2-GPIO36-Pad40): U2#4.40
Board_2-unconnected-(U2-GPIO45-Pad50): U2#4.50
Board_2-unconnected-(U2-GPIO46-Pad55): U2#4.55
Board_2-unconnected-(U2-LNA_IN/RF-Pad2): U2#4.2
Board_2-unconnected-(U2-MTCK/JTAG/GPIO39-Pad43): U2#4.43
Board_2-unconnected-(U2-MTDI/JTAG/GPIO41-Pad46): U2#4.46
Board_2-unconnected-(U2-MTDO/JTAG/GPIO40-Pad44): U2#4.44
Board_2-unconnected-(U2-MTMS/JTAG/GPIO42-Pad47): U2#4.47
Board_2-unconnected-(U2-SPI_CS1/GPIO26-Pad29): U2#4.29
Board_2-unconnected-(U2-SPICLK/GPIO30-Pad34): U2#4.34
Board_2-unconnected-(U2-SPICS0/GPIO29-Pad33): U2#4.33
Board_2-unconnected-(U2-SPID/GPIO32-Pad36): U2#4.36
Board_2-unconnected-(U2-SPIHD/GPIO27-Pad31): U2#4.31
Board_2-unconnected-(U2-SPIQ/GPIO31-Pad35): U2#4.35
Board_2-unconnected-(U2-SPIWP/GPIO28-Pad32): U2#4.32
Board_2-unconnected-(U3-32K_XN/GPIO33/ADC1_CH5-Pad13): U3#2.13
Board_2-unconnected-(U3-32K_XP/GPIO32/ADC1_CH4-Pad12): U3#2.12
Board_2-unconnected-(U3-GPIO2/ADC2_CH2-Pad22): U3#2.22
Board_2-unconnected-(U3-GPIO4/ADC2_CH0-Pad24): U3#2.24
Board_2-unconnected-(U3-GPIO20-Pad26): U3#2.26
Board_2-unconnected-(U3-GPIO26/ADC2_CH9/DAC_2-Pad16): U3#2.16
Board_2-unconnected-(U3-GPIO27/ADC2_CH7-Pad17): U3#2.17
Board_2-unconnected-(U3-MTCK/GPIO13/ADC2_CH4-Pad20): U3#2.20
Board_2-unconnected-(U3-MTDI/GPIO12/ADC2_CH5-Pad19): U3#2.19
Board_2-unconnected-(U3-MTDO/GPIO15/ADC2_CH3-Pad21): U3#2.21
Board_2-unconnected-(U3-MTMS/GPIO14/ADC2_CH6-Pad18): U3#2.18
Board_2-unconnected-(U3-NC-Pad25): U3#2.25
Board_2-unconnected-(U3-NC-Pad32): U3#2.32
Board_2-unconnected-(U3-SD_DATA_0/GPIO7-Pad27): U3#2.27
Board_2-unconnected-(U3-SD_DATA_1/GPIO8-Pad28): U3#2.28
Board_2-unconnected-(U3-SENSOR_CAPN/GPIO38/ADC1_CH2-Pad6): U3#2.6
Board_2-unconnected-(U3-VDET_1/GPIO34/ADC1_CH6-Pad9): U3#2.9
Board_2-unconnected-(U3-VDET_2/GPIO35/ADC1_CH7-Pad10): U3#2.10
Board_2-VBUS: C16#4.1 D1#5.1 U1#4.5 U1#4.6 U1#4.7 U1#4.8
Board_3-+3V3: C1#5.1 C2#5.1 C3#5.1 C4#2.1 C6#6.1 C7#4.1 C8#3.1 C9#5.1 C12#2.1 C13#6.1 C14#2.1 C17#3.1 J2#4.3 J2#4.4 R1#2.2 R4.2 R6#3.2 R10#2.2 R11#2.2 U1#2.1 U2#5.1 U2#5.3 U2#5.4 U2#5.20 U2#5.27 U2#5.45 U2#5.51 U2#5.54 U3#5.3
Board_3-/BTN: J4#4.1 NT12#3.1 R1#2.1 SW1#6.1 U2#5.38 U3#5.4
Board_3-/D+_TP: J1#6.3 J3#5.3 NT11#6.1 U4#4.3
Board_3-/D-_TP: J1#6.2 J3#5.2 NT10.1 U4#4.2
Board_3-/HCI_CTS: U2#5.28 U3#5.5
Board_3-/HCI_RXD: U2#5.23 U3#5.7
Board_3-/HCI_TXD: U2#5.42 U3#5.34
Board_3-/LED: D6#3.2 R11#2.1 U2#5.37 U3#5.15
Board_3-/PICO_EN: C5#6.1 J2#4.8 NT5#4.1 R6#3.1 U2#5.21 U3#5.8
Board_3-/PICO_IO0: J2#4.2 NT2#3.1 U2#5.10 U3#5.23
Board_3-/PICO_TXD: J2#4.12 NT7#3.1 U2#5.41 U3#5.31
Board_3-/RXD: J2#4.5 J2#4.6 NT3#5.1 U2#5.49 U3#5.30
Board_3-/S2_EN: C15#3.1 J2#4.7 NT4#6.1 R4.1 U2#5.56 U3#5.33
Board_3-/S2_IO0: J2#4.1 NT1#5.1 U2#5.5 U3#5.29
Board_3-/S2_TXD: J2#4.11 NT6#6.1 U2#5.48 U3#5.35
Board_3-/USB_D+: U2#5.26 U4#4.6
Board_3-/USB_D-: U2#5.25 U4#4.7
Board_3-GND: C1#5.2 C2#5.2 C3#5.2 C4#2.2 C5#6.2 C6#6.2 C7#4.2 C8#3.2 C9#5.2 C10#5.2 C11#3.2 C12#2.2 C13#6.2 C14#2.2 C15#3.2 C16#3.2 C17#3.2 C18#4.2 C19#4.2 D6#3.1 J1#6.5 J2#4.9 J2#4.10 J3#5.4 NT8#3.1 NT13#4.1 SW1#6.2 U1#2.4 U1#2.9 U2#5.57 U3#5.1 U3#5.2 U3#5.11 U3#5.14 U3#5.36 U3#5.37 U3#5.38 U3#5.39 U3#5.40 U3#5.41 U3#5.42 U3#5.43 U3#5.44 U3#5.45 U3#5.46 U3#5.47 U3#5.48 U3#5.49 U3#5.50 U3#5.51 U3#5.52 U3#5.53 U4#4.4 U4#4.5 U4#4.8 Y1#4.2 Y1#4.4
Board_3-Net-(U2-GPIO18/ADC2_CH7/DAC_2): R10#2.1 U2#5.24
Board_3-Net-(U2-VDD_SPI): C10#5.1 C11#3.1 U2#5.30
Board_3-Net-(U2-XTAL_N): C18#4.1 U2#5.52 Y1#4.3
Board_3-Net-(U2-XTAL_P): C19#4.1 U2#5.53 Y1#4.1
Board_3-unconnected-(J1-Pin_4-Pad4): J1#6.4
Board_3-unconnected-(NT1-Pad2): NT1#5.2
Board_3-unconnected-(NT2-Pad2): NT2#3.2
Board_3-unconnected-(NT3-Pad2): NT3#5.2
Board_3-unconnected-(NT4-Pad2): NT4#6.2
Board_3-unconnected-(NT5-Pad2): NT5#4.2
Board_3-unconnected-(NT6-Pad2): NT6#6.2
Board_3-unconnected-(NT7-Pad2): NT7#3.2
Board_3-unconnected-(NT8-Pad2): NT8#3.2
Board_3-unconnected-(NT9-Pad2): NT9#6.2
Board_3-unconnected-(NT10-Pad2): NT10.2
Board_3-unconnected-(NT11-Pad2): NT11#6.2
Board_3-unconnected-(NT12-Pad2): NT12#3.2
Board_3-unconnected-(NT13-Pad2): NT13#4.2
Board_3-unconnected-(U1-NC-Pad2): U1#2.2
Board_3-unconnected-(U1-NC-Pad3): U1#2.3
Board_3-unconnected-(U2-GPIO1/ADC1_CH0-Pad6): U2#5.6
Board_3-unconnected-(U2-GPIO2/ADC1_CH1-Pad7): U2#5.7
Board_3-unconnected-(U2-GPIO3/ADC1_CH2-Pad8): U2#5.8
Board_3-unconnected-(U2-GPIO4/ADC1_CH3-Pad9): U2#5.9
Board_3-unconnected-(U2-GPIO6/ADC1_CH5-Pad11): U2#5.11
Board_3-unconnected-(U2-GPIO7/ADC1_CH6-Pad12): U2#5.12
Board_3-unconnected-(U2-GPIO8/ADC1_CH7-Pad13): U2#5.13
Board_3-unconnected-(U2-GPIO9/ADC1_CH8-Pad14): U2#5.14
Board_3-unconnected-(U2-GPIO10/ADC1_CH9-Pad15): U2#5.15
Board_3-unconnected-(U2-GPIO11/ADC2_CH0-Pad16): U2#5.16
Board_3-unconnected-(U2-GPIO12/ADC2_CH1-Pad17): U2#5.17
Board_3-unconnected-(U2-GPIO13/ADC2_CH2-Pad18): U2#5.18
Board_3-unconnected-(U2-GPIO14/ADC2_CH3-Pad19): U2#5.19
Board_3-unconnected-(U2-GPIO16/ADC2_CH5/XTAL_32K_N-Pad22): U2#5.22
Board_3-unconnected-(U2-GPIO35-Pad39): U2#5.39
Board_3-unconnected-(U2-GPIO36-Pad40): U2#5.40
Board_3-unconnected-(U2-GPIO45-Pad50): U2#5.50
Board_3-unconnected-(U2-GPIO46-Pad55): U2#5.55
Board_3-unconnected-(U2-LNA_IN/RF-Pad2): U2#5.2
Board_3-unconnected-(U2-MTCK/JTAG/GPIO39-Pad43): U2#5.43
Board_3-unconnected-(U2-MTDI/JTAG/GPIO41-Pad46): U2#5.46
Board_3-unconnected-(U2-MTDO/JTAG/GPIO40-Pad44): U2#5.44
Board_3-unconnected-(U2-MTMS/JTAG/GPIO42-Pad47): U2#5.47
Board_3-unconnected-(U2-SPI_CS1/GPIO26-Pad29): U2#5.29
Board_3-unconnected-(U2-SPICLK/GPIO30-Pad34): U2#5.34
Board_3-unconnected-(U2-SPICS0/GPIO29-Pad33): U2#5.33
Board_3-unconnected-(U2-SPID/GPIO32-Pad36): U2#5.36
Board_3-unconnected-(U2-SPIHD/GPIO27-Pad31): U2#5.31
Board_3-unconnected-(U2-SPIQ/GPIO31-Pad35): U2#5.35
Board_3-unconnected-(U2-SPIWP/GPIO28-Pad32): U2#5.32
Board_3-unconnected-(U3-32K_XN/GPIO33/ADC1_CH5-Pad13): U3#5.13
Board_3-unconnected-(U3-32K_XP/GPIO32/ADC1_CH4-Pad12): U3#5.12
Board_3-unconnected-(U3-GPIO2/ADC2_CH2-Pad22): U3#5.22
Board_3-unconnected-(U3-GPIO4/ADC2_CH0-Pad24): U3#5.24
Board_3-unconnected-(U3-GPIO20-Pad26): U3#5.26
Board_3-unconnected-(U3-GPIO26/ADC2_CH9/DAC_2-Pad16): U3#5.16
Board_3-unconnected-(U3-GPIO27/ADC2_CH7-Pad17): U3#5.17
Board_3-unconnected-(U3-MTCK/GPIO13/ADC2_CH4-Pad20): U3#5.20
Board_3-unconnected-(U3-MTDI/GPIO12/ADC2_CH5-Pad19): U3#5.19
Board_3-unconnected-(U3-MTDO/GPIO15/ADC2_CH3-Pad21): U3#5.21
